# KiCad board UFC_Main.kicad_pcb
date: 2020-11-28
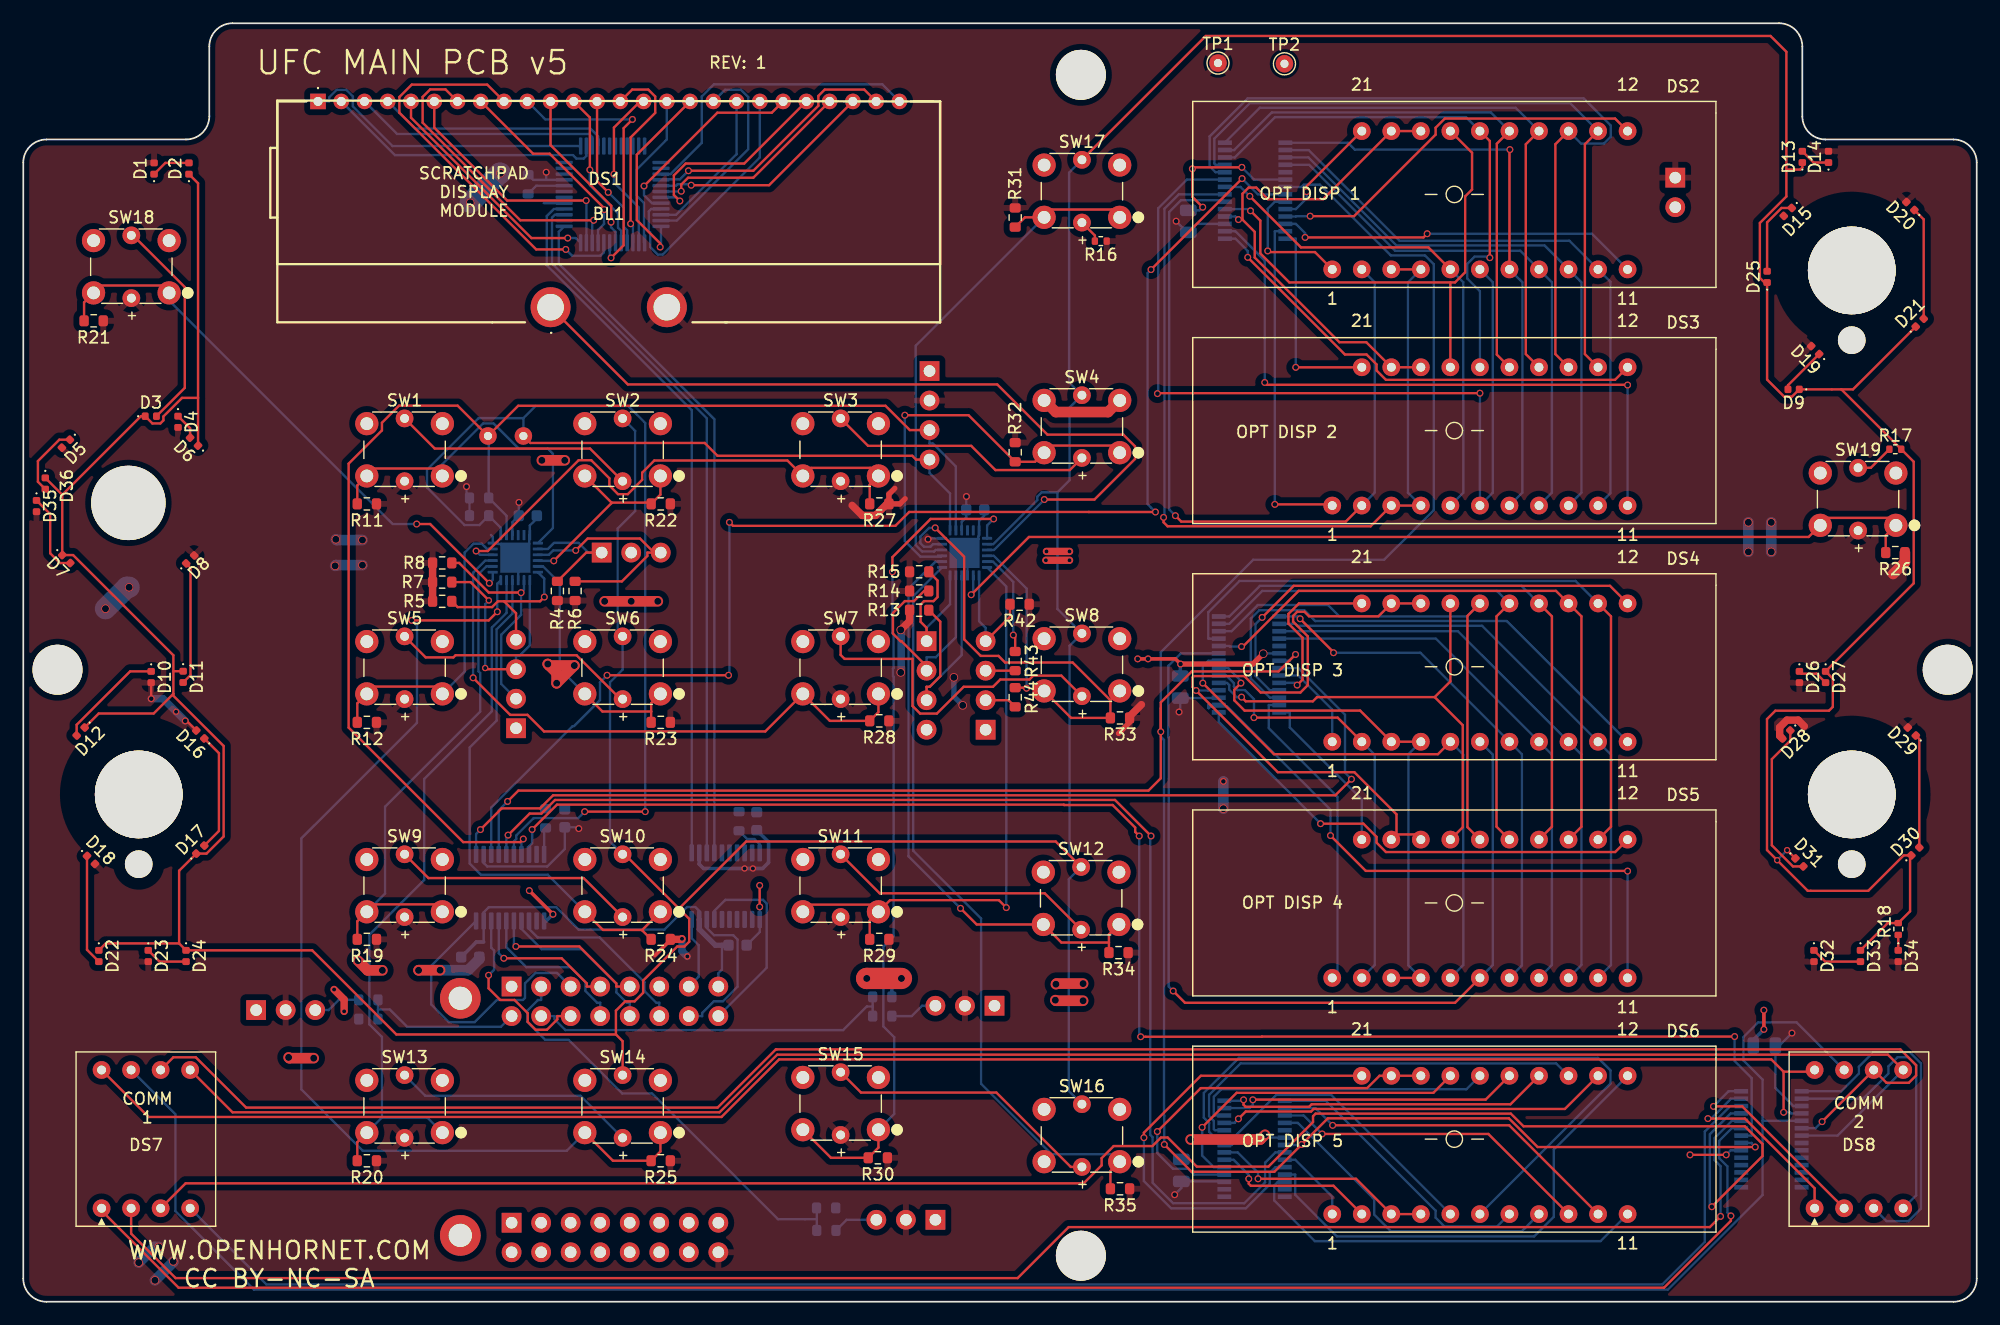
[diagram p0: board, top side]
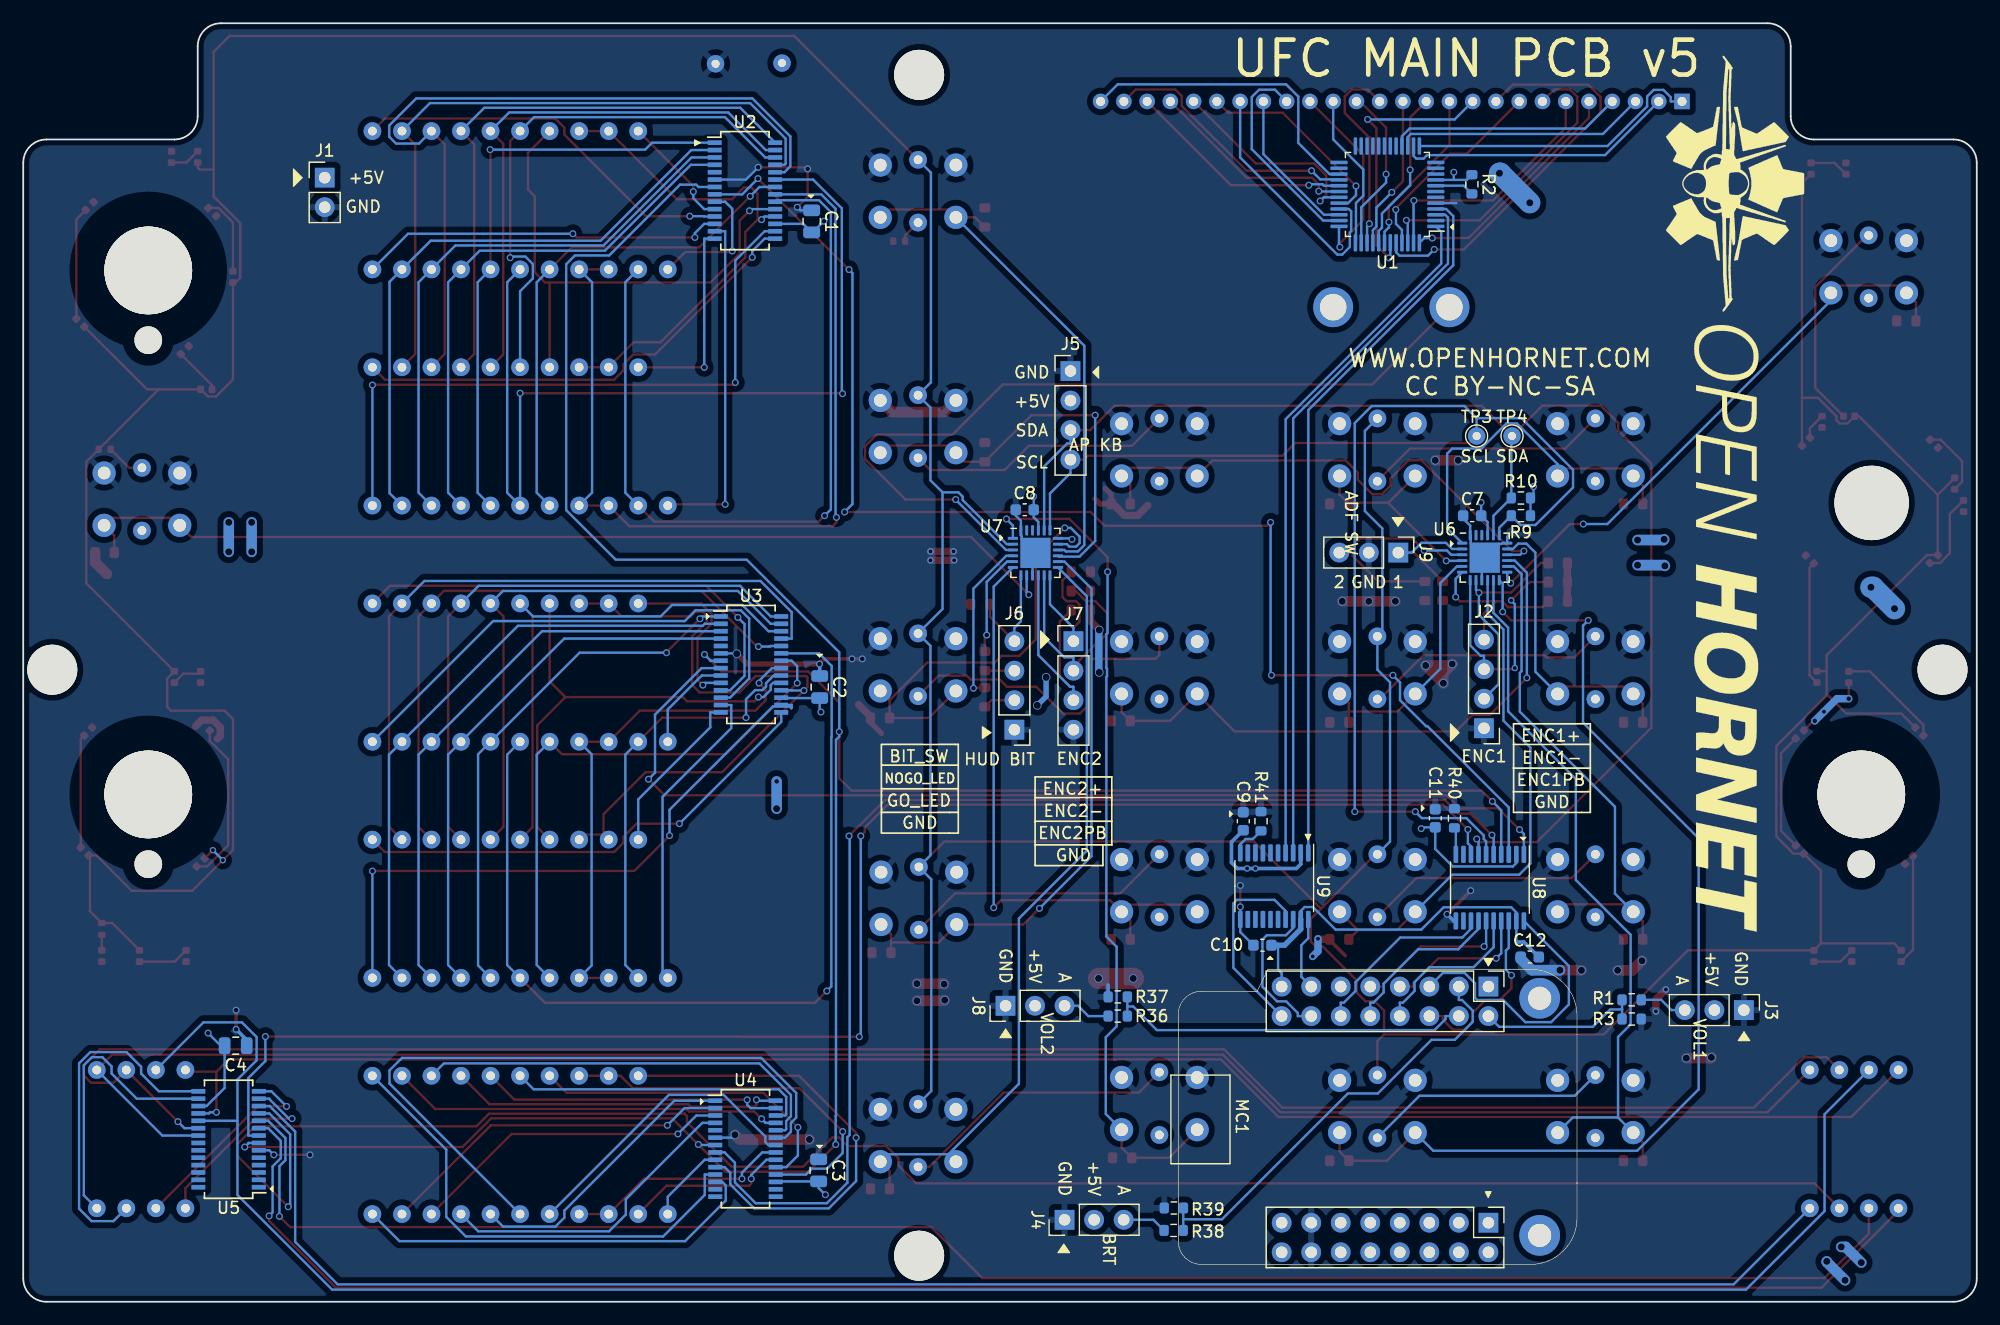
[diagram p1: board, bottom side, seen from below]

Outline 168 x 110 mm; copper layers: Top, Bottom. Coordinates in mm from the lower left corner of the outline.
Outline path: 0,98 0,2 arc(0.59,0.59) 2,0 166,0 arc(167.41,0.59) 168,2 168,98 arc(167.41,99.41) 166,100 155,100 arc(153.59,100.59) 153,102 153,108 arc(152.41,109.41) 151,110 18,110 arc(16.59,109.41) 16,108 16,102 arc(15.41,100.59) 14,100 2,100 arc(0.59,99.41) 0,98

## Placement (name value [footprint] x y rotation side)
BL1  UFCScratchPadBacklight  [SCRATCHPADBACKLIGHT]  45.35 85.57 0 top
C1  10uF  [C_0805_2012Metric]  100.2 92.95 270 bottom
C2  10uF  [C_0805_2012Metric]  99.51 52.89 270 bottom
C3  10uF  [C_0805_2012Metric]  99.6 11.3 270 bottom
C4  10uF  [C_0805_2012Metric]  149.73 22.03 0 bottom
C7  .1uF  [C_0603_1608Metric]  43.39 67.63 180 bottom
C8  .1uF  [C_0603_1608Metric]  81.88 68.14 180 bottom
C9  .1uF  [C_0603_1608Metric]  63.08 41.34 270 bottom
C10  .1uF  [C_0603_1608Metric]  61.43 30.67 180 bottom
C11  .1uF  [C_0603_1608Metric]  46.57 41.6 270 bottom
C12  .1uF  [C_0603_1608Metric]  38.44 29.66 180 bottom
D1  ~  [LED_0402_1005Metric]  11.25 97.5 90 top
D2  ~  [LED_0402_1005Metric]  14.25 97.5 90 top
D3  ~  [LED_0402_1005Metric]  10.97 76.19 0 top
D4  ~  [LED_0402_1005Metric]  13.31 75.71 270 top
D5  ~  [LED_0402_1005Metric]  3.67 73.83 225 top
D6  ~  [LED_0402_1005Metric]  14.69 74 135 top
D7  ~  [LED_0402_1005Metric]  3.7 63.9 315 top
D8  ~  [LED_0402_1005Metric]  14.36 63.87 45 top
D9  ~  [LED_0402_1005Metric]  152.25 78.5 180 top
D10  ~  [LED_0402_1005Metric]  11 53.75 270 top
D11  ~  [LED_0402_1005Metric]  13.75 53.77 270 top
D12  ~  [LED_0402_1005Metric]  4.94 49.06 225 top
D13  ~  [LED_0402_1005Metric]  153 98.5 90 top
D14  ~  [LED_0402_1005Metric]  155.25 98.5 90 top
D15  ~  [LED_0402_1005Metric]  151.75 93.77 225 top
D16  ~  [LED_0402_1005Metric]  15.22 48.81 135 top
D17  ~  [LED_0402_1005Metric]  15.22 38.9 45 top
D18  ~  [LED_0402_1005Metric]  5.83 38.01 315 top
D19  ~  [LED_0402_1005Metric]  154.11 81.88 135 top
D20  ~  [LED_0402_1005Metric]  162.29 94.27 135 top
D21  ~  [LED_0402_1005Metric]  163.1 84.24 45 top
D22  ~  [LED_0402_1005Metric]  6.5 29.75 270 top
D23  ~  [LED_0402_1005Metric]  10.75 29.75 270 top
D24  ~  [LED_0402_1005Metric]  14 29.75 270 top
D25  ~  [LED_0402_1005Metric]  149.97 88.18 90 top
D26  ~  [LED_0402_1005Metric]  152.75 53.75 270 top
D27  ~  [LED_0402_1005Metric]  155 53.75 270 top
D28  ~  [LED_0402_1005Metric]  151.62 48.81 225 top
D29  ~  [LED_0402_1005Metric]  162.42 49.06 135 top
D30  ~  [LED_0402_1005Metric]  162.72 38.75 45 top
D31  ~  [LED_0402_1005Metric]  152.75 37.8 315 top
D32  ~  [LED_0402_1005Metric]  154 29.75 270 top
D33  ~  [LED_0402_1005Metric]  158 29.75 270 top
D34  ~  [LED_0402_1005Metric]  161.25 29.75 270 top
D35  ~  [LED_0402_1005Metric]  1.14 68.46 270 top
D36  ~  [LED_0402_1005Metric]  1.9 70.4 270 top
DS1  UFCScratchpadLCD  [SCRATCHPADLCD]  25.35 103.27 0 top
DS2  -  [UFCOptionDigit]  123.07 95.27 0 top
DS3  -  [UFCOptionDigit]  123.07 74.95 0 top
DS4  -  [UFCOptionDigit]  123.07 54.63 0 top
DS5  -  [UFCOptionDigit]  123.07 34.31 0 top
DS6  -  [UFCOptionDigit]  123.07 13.99 0 top
DS7  -  [UFCSingleDigit]  10.55 13.99 0 top
DS8  -  [UFCSingleDigit]  157.87 13.99 0 top
G***  LOGO  [OH_LOGO_75.4mm_11.9mm]  20.79 69.54 270 bottom
J1  +5VIN  [PinHeader_1x02_P2.54mm_Vertical]  142.07 96.71 180 bottom
J2  ENC1  [PinHeader_1x04_P2.54mm_Vertical]  42.38 49.34 0 bottom
J3  VOL1  [PinHeader_1x03_P2.54mm_Vertical]  20.03 25.1 270 bottom
J4  BRT  [PinHeader_1x03_P2.54mm_Vertical]  78.45 7.05 90 bottom
J5  AP KB  [PinHeader_1x04_P2.54mm_Vertical]  77.94 80.08 180 bottom
J6  HUD BIT  [PinHeader_1x04_P2.54mm_Vertical]  82.76 49.22 0 bottom
J7  ENC2  [PinHeader_1x04_P2.54mm_Vertical]  77.68 56.84 180 bottom
J8  VOL2  [PinHeader_1x03_P2.54mm_Vertical]  83.53 25.47 90 bottom
J9  ADF SW  [PinHeader_1x03_P2.54mm_Vertical]  49.74 64.46 270 bottom
MC1  -  [S2_MINI]  53.43 15.69 270 bottom
MK1  MH  [MountingHole_4.3mm_M4]  90.96 105.56 0 top
MK2  MH  [MountingHole_4.3mm_M4]  165.51 54.38 0 top
MK3  MH  [MountingHole_4.3mm_M4]  90.96 3.96 0 top
MK4  MH  [MountingHole_4.3mm_M4]  2.95 54.38 0 top
MK5  SW_ADF  [MountingHole_6.4mm_M6]  9.04 68.73 0 top
POT1  VOL1  [BR10K_Pot_11mm_x_11mm]  9.93 43.65 0 top
POT2  VOL2  [BR10K_Pot_11mm_x_11mm]  157.25 43.65 0 top
POT3  BRT  [BR10K_Pot_11mm_x_11mm]  157.25 88.73 0 top
R1  1k  [R_0603_1608Metric]  29.68 25.98 0 bottom
R2  10K  [R_0603_1608Metric]  43.42 96.14 270 bottom
R3  2K  [R_0603_1608Metric]  29.68 24.32 180 bottom
R4  4.7k  [R_0603_1608Metric]  45.93 61.15 90 top
R5  4.7k  [R_0603_1608Metric]  36.03 60.27 180 top
R6  4.7k  [R_0603_1608Metric]  47.46 61.15 270 top
R7  4.7k  [R_0603_1608Metric]  36.03 61.92 180 top
R8  4.7k  [R_0603_1608Metric]  36.03 63.57 0 top
R9  4.7k  [R_0603_1608Metric]  39.2 67.63 0 bottom
R10  4.7k  [R_0603_1608Metric]  39.2 69.16 180 bottom
R11  4.7k  [R_0603_1608Metric]  29.55 68.65 180 top
R12  4.7k  [R_0603_1608Metric]  29.55 49.85 180 top
R13  4.7k  [R_0603_1608Metric]  77.05 59.5 0 top
R14  4.7k  [R_0603_1608Metric]  77.05 61.15 180 top
R15  4.7k  [R_0603_1608Metric]  77.05 62.81 0 top
R16  33  [R_0402_1005Metric]  92.67 91.25 180 top
R17  33  [R_0402_1005Metric]  161 73.35 0 top
R18  33  [R_0402_1005Metric]  161.25 32.07 90 top
R19  4.7k  [R_0603_1608Metric]  29.55 31.18 180 top
R20  4.7k  [R_0603_1608Metric]  29.55 12.13 180 top
R21  4.7k  [R_0603_1608Metric]  6.06 84.4 180 top
R22  4.7k  [R_0603_1608Metric]  54.82 68.65 180 top
R23  4.7k  [R_0603_1608Metric]  54.82 49.85 180 top
R24  4.7k  [R_0603_1608Metric]  54.82 31.18 180 top
R25  4.7k  [R_0603_1608Metric]  54.82 12.13 180 top
R26  4.7k  [R_0603_1608Metric]  161 64.46 180 top
R27  4.7k  [R_0603_1608Metric]  73.62 68.65 180 top
R28  4.7k  [R_0603_1608Metric]  73.62 49.98 180 top
R29  4.7k  [R_0603_1608Metric]  73.62 31.18 180 top
R30  4.7k  [R_0603_1608Metric]  73.49 12.39 180 top
R31  4.7k  [R_0603_1608Metric]  85.3 93.29 270 top
R32  4.7k  [R_0603_1608Metric]  85.3 73.09 270 top
R33  4.7k  [R_0603_1608Metric]  94.32 50.23 180 top
R34  4.7k  [R_0603_1608Metric]  94.19 30.04 180 top
R35  4.7k  [R_0603_1608Metric]  94.32 9.72 180 top
R36  1k  [R_0603_1608Metric]  73.87 24.58 180 bottom
R37  2K  [R_0603_1608Metric]  73.87 26.23 0 bottom
R38  1k  [R_0603_1608Metric]  69.07 6.14 180 bottom
R39  2K  [R_0603_1608Metric]  69.05 8.07 0 bottom
R40  4.7k  [R_0603_1608Metric]  44.92 41.6 90 bottom
R41  4.7k  [R_0603_1608Metric]  61.56 41.34 90 bottom
R42  4.7k  [R_0603_1608Metric]  85.69 60.01 180 top
R43  68  [R_0603_1608Metric]  85.3 55.12 270 top
R44  68  [R_0603_1608Metric]  85.3 52.01 270 top
SW1  -  [TL1240GQ]  29.55 75.55 0 top
SW2  -  [TL1240GQ]  48.3 75.55 0 top
SW3  -  [TL1240GQ]  67.05 75.55 0 top
SW4  -  [TL1240GQ]  87.8 77.55 0 top
SW5  -  [TL1240GQ]  29.55 56.8 0 top
SW6  -  [TL1240GQ]  48.3 56.8 0 top
SW7  -  [TL1240GQ]  67.05 56.8 0 top
SW8  -  [TL1240GQ]  87.8 57.05 0 top
SW9  -  [TL1240GQ]  29.55 38.05 0 top
SW10  -  [TL1240GQ]  48.3 38.05 0 top
SW11  -  [TL1240GQ]  67.05 38.05 0 top
SW12  -  [TL1240GQ]  87.73 36.96 0 top
SW13  -  [TL1240GQ]  29.55 19.05 0 top
SW14  -  [TL1240GQ]  48.3 19.05 0 top
SW15  -  [TL1240GQ]  67.05 19.3 0 top
SW16  -  [TL1240GQ]  87.8 16.55 0 top
SW17  -  [TL1240GQ]  87.8 97.8 0 top
SW18  -  [TL1240GQ]  6.05 91.3 0 top
SW19  -  [TL1240GQ]  154.55 71.3 0 top
TP1  5V  [TestPoint_THTPad_D1.5mm_Drill0.7mm]  102.75 106.58 0 top
TP2  GND  [TestPoint_THTPad_D1.5mm_Drill0.7mm]  108.46 106.51 0 top
TP3  SCL  [TestPoint_THTPad_D1.5mm_Drill0.7mm]  43.01 74.49 180 bottom
TP4  SDA  [TestPoint_THTPad_D1.5mm_Drill0.7mm]  39.97 74.49 180 bottom
U1  HT1621B  [LQFP-48_7x7mm_P0.5mm]  50.68 95.27 0 bottom
U2  GN1640T  [SSOP-28_3.9x9.9mm_P0.635mm]  105.94 95.6 180 bottom
U3  GN1640T  [SSOP-28_3.9x9.9mm_P0.635mm]  105.42 54.83 180 bottom
U4  GN1640T  [SSOP-28_3.9x9.9mm_P0.635mm]  105.89 13.17 180 bottom
U5  GN1640T  [SSOP-28_3.9x9.9mm_P0.635mm]  150.34 13.98 0 bottom
U6  AW9523BTQR  [WQFN-24-1EP_4x4mm_P0.5mm_EP2.6x2.6mm]  42.31 64.02 180 bottom
U7  AW9523BTQR  [WQFN-24-1EP_4x4mm_P0.5mm_EP2.6x2.6mm]  80.95 64.43 180 bottom
U8  TXS0108EPW  [TSSOP-20_4.4x6.5mm_P0.65mm]  41.87 35.63 270 bottom
U9  TXS0108EPW  [TSSOP-20_4.4x6.5mm_P0.65mm]  60.41 35.75 270 bottom

## Footprints (pads in the part's own frame, mm; a bottom-side part is the same pattern mirrored in y, then rotated)
BR10K_Pot_11mm_x_11mm
  round 7.541 hole 7.54 unplated: (0,0) (0,0)
  round 2.381 hole 2.38 unplated: (0,-6)
C_0603_1608Metric
  rrect 0.9x0.95 smd: 1(-0.775,0) 2(0.775,0)
C_0805_2012Metric
  rrect 1x1.45 smd: 1(-0.95,0) 2(0.95,0)
LED_0402_1005Metric
  rrect 0.59x0.64 smd: 1(-0.485,0) 2(0.485,0)
LQFP-48_7x7mm_P0.5mm
  rrect 1.475x0.3 smd: 1(-4.162,2.75) 2(-4.162,2.25) 3(-4.162,1.75) 4(-4.162,1.25) 5(-4.162,0.75) 6(-4.162,0.25) 7(-4.162,-0.25) 8(-4.162,-0.75) 9(-4.162,-1.25) 10(-4.162,-1.75) 11(-4.162,-2.25) 12(-4.162,-2.75) 25(4.162,-2.75) 26(4.162,-2.25) 27(4.162,-1.75) 28(4.162,-1.25) 29(4.162,-0.75) 30(4.162,-0.25) 31(4.162,0.25) 32(4.162,0.75) 33(4.162,1.25) 34(4.162,1.75) 35(4.162,2.25) 36(4.162,2.75)
  rrect 0.3x1.475 smd: 13(-2.75,-4.162) 14(-2.25,-4.162) 15(-1.75,-4.162) 16(-1.25,-4.162) 17(-0.75,-4.162) 18(-0.25,-4.162) 19(0.25,-4.162) 20(0.75,-4.162) 21(1.25,-4.162) 22(1.75,-4.162) 23(2.25,-4.162) 24(2.75,-4.162) 37(2.75,4.162) 38(2.25,4.162) 39(1.75,4.162) 40(1.25,4.162) 41(0.75,4.162) 42(0.25,4.162) 43(-0.25,4.162) 44(-0.75,4.162) 45(-1.25,4.162) 46(-1.75,4.162) 47(-2.25,4.162) 48(-2.75,4.162)
MountingHole_4.3mm_M4
  round 4.3 hole 4.3 unplated: (0,0)
MountingHole_6.4mm_M6
  round 6.4 hole 6.4 unplated: (0,0)
PinHeader_1x02_P2.54mm_Vertical
  rect 1.7x1.7 hole 1: 1(0,0)
  oval 1.7x1.7 hole 1: 2(0,-2.54)
PinHeader_1x03_P2.54mm_Vertical
  rect 1.7x1.7 hole 1: 1(0,0)
  oval 1.7x1.7 hole 1: 2(0,-2.54) 3(0,-5.08)
PinHeader_1x04_P2.54mm_Vertical
  rect 1.7x1.7 hole 1: 1(0,0)
  oval 1.7x1.7 hole 1: 2(0,-2.54) 3(0,-5.08) 4(0,-7.62)
R_0402_1005Metric
  rrect 0.54x0.64 smd: 1(-0.51,0) 2(0.51,0)
R_0603_1608Metric
  rrect 0.8x0.95 smd: 1(-0.825,0) 2(0.825,0)
S2_MINI
  rect 1.7x1.7 hole 1: 1(-11.43,11.43) 17(8.89,11.43)
  oval 1.7x1.7 hole 1: 2(-11.43,8.89) 3(-11.43,6.35) 4(-11.43,3.81) 5(-11.43,1.27) 6(-11.43,-1.27) 7(-11.43,-3.81) 8(-11.43,-6.35) 9(-8.89,11.43) 10(-8.89,8.89) 11(-8.89,6.35) 12(-8.89,3.81) 13(-8.89,1.27) 14(-8.89,-1.27) 15(-8.89,-3.81) 16(-8.89,-6.35) 18(8.89,8.89) 19(8.89,6.35) 20(8.89,3.81) 21(8.89,1.27) 22(8.89,-1.27) 23(8.89,-3.81) 24(8.89,-6.35) 25(11.43,11.43) 26(11.43,8.89) 27(11.43,6.35) 28(11.43,3.81) 29(11.43,1.27) 30(11.43,-1.27) 31(11.43,-3.81) 32(11.43,-6.35)
  round 3.5 hole 2: ~(-10.42,15.84) ~(9.98,15.84)
SCRATCHPADBACKLIGHT
  round 3.435 hole 2.29: 1(0,0) 2(10,0)
SCRATCHPADLCD
  rect 1.337x1.337 hole 0.78: 1(0,0)
  round 1.337 hole 0.78: 2(2,0) 3(4,0) 4(6,0) 5(8,0) 6(10,0) 7(12,0) 8(14,0) 9(16,0) 10(18,0) 11(20,0) 12(22,0) 13(24,0) 14(26,0) 15(28,0) 16(30,0) 17(32,0) 18(34,0) 19(36,0) 20(38,0) 21(40,0) 22(42,0) 23(44,0) 24(46,0) 25(48,0) 26(50,0)
SSOP-28_3.9x9.9mm_P0.635mm
  rect 1.2x0.4 smd: 1(-2.6,4.128) 2(-2.6,3.493) 3(-2.6,2.857) 4(-2.6,2.223) 5(-2.6,1.587) 6(-2.6,0.953) 7(-2.6,0.318) 8(-2.6,-0.318) 9(-2.6,-0.953) 10(-2.6,-1.587) 11(-2.6,-2.223) 12(-2.6,-2.857) 13(-2.6,-3.493) 14(-2.6,-4.128) 15(2.6,-4.128) 16(2.6,-3.493) 17(2.6,-2.857) 18(2.6,-2.223) 19(2.6,-1.587) 20(2.6,-0.953) 21(2.6,-0.318) 22(2.6,0.318) 23(2.6,0.953) 24(2.6,1.587) 25(2.6,2.223) 26(2.6,2.857) 27(2.6,3.493) 28(2.6,4.128)
TestPoint_THTPad_D1.5mm_Drill0.7mm
  round 1.5 hole 0.7: 1(0,0)
TL1240GQ
  round 2 hole 1.1: 1(0,-4.5) 1(6.5,-4.5) 2(0,0) 2(6.5,0)
  round 1.524 hole 0.762: 5(3.25,-4.95) 6(3.25,0.45)
TSSOP-20_4.4x6.5mm_P0.65mm
  rrect 1.475x0.4 smd: 1(-2.862,2.925) 2(-2.862,2.275) 3(-2.862,1.625) 4(-2.862,0.975) 5(-2.862,0.325) 6(-2.862,-0.325) 7(-2.862,-0.975) 8(-2.862,-1.625) 9(-2.862,-2.275) 10(-2.862,-2.925) 11(2.862,-2.925) 12(2.862,-2.275) 13(2.862,-1.625) 14(2.862,-0.975) 15(2.862,-0.325) 16(2.862,0.325) 17(2.862,0.975) 18(2.862,1.625) 19(2.862,2.275) 20(2.862,2.925)
UFCOptionDigit
  round 1.524 hole 0.762: 1(-10.495,-6.45) 2(-7.955,-6.45) 3(-5.415,-6.45) 4(-2.875,-6.45) 5(-0.335,-6.45) 6(2.205,-6.45) 7(4.745,-6.45) 8(7.285,-6.45) 9(9.825,-6.45) 10(12.365,-6.45) 11(14.905,-6.45) 12(14.905,5.45) 13(12.365,5.45) 14(9.825,5.45) 15(7.285,5.45) 16(4.745,5.45) 17(2.205,5.45) 18(-0.335,5.45) 19(-2.875,5.45) 20(-5.415,5.45) 21(-7.955,5.45)
UFCSingleDigit
  round 1.524 hole 0.762: 1(-3.81,-5.95) 2(-1.27,-5.95) 3(1.27,-5.95) 4(3.81,-5.95) 5(3.81,5.95) 6(1.27,5.95) 7(-1.27,5.95) 8(-3.81,5.95)
WQFN-24-1EP_4x4mm_P0.5mm_EP2.6x2.6mm
  rrect 1.05x1.05 smd: (-0.65,-0.65) (-0.65,0.65) (0.65,-0.65) (0.65,0.65)
  rrect 0.875x0.25 smd: 1(-1.938,1.25) 2(-1.938,0.75) 3(-1.938,0.25) 4(-1.938,-0.25) 5(-1.938,-0.75) 6(-1.938,-1.25) 13(1.938,-1.25) 14(1.938,-0.75) 15(1.938,-0.25) 16(1.938,0.25) 17(1.938,0.75) 18(1.938,1.25)
  rrect 0.25x0.875 smd: 7(-1.25,-1.938) 8(-0.75,-1.938) 9(-0.25,-1.938) 10(0.25,-1.938) 11(0.75,-1.938) 12(1.25,-1.938) 19(1.25,1.938) 20(0.75,1.938) 21(0.25,1.938) 22(-0.25,1.938) 23(-0.75,1.938) 24(-1.25,1.938)
  rect 2.6x2.6 smd: 25(0,0)

## Nets
+3V3: C10.2 C12.2 MC1.8 U8.19 U9.19
+5V: BL1.2 C1.2 C2.2 C3.2 C4.2 C7.2 C8.2 C9.2 C11.2 D1.2 D4.2 D5.2 D8.2 D10.2 D14.2 D15.2 D16.2 D18.2 D19.2 D20.2 D23.2 D26.2 D28.2 D29.2 D32.2 D34.2 D35.2 J1.1 J3.2 J4.2 J5.2 J8.2 MC1.32 R2.1 R4.1 R5.2 R6.2 R7.2 R8.1 R9.1 R10.2 R11.1 R12.1 R13.1 R14.2 R15.1 R16.1 R19.1 R20.1 R21.1 R22.1 R23.1 R24.1 R25.1 R26.1 R27.1 R28.1 R29.1 R30.1 R31.1 R32.1 R33.1 R34.1 R35.1 R42.1 SW1.5 SW3.5 SW5.5 SW7.5 SW9.5 SW11.5 SW13.5 SW15.5 SW18.5 SW19.5 TP1.1 U1.9 U2.17 U3.17 U4.17 U5.17 U6.21 U7.18 U7.21 U8.2 U9.2
GND: C1.1 C2.1 C3.1 C4.1 C7.1 C8.1 C9.1 C10.1 C11.1 C12.1 J1.2 J2.1 J3.1 J4.1 J5.1 J6.1 J7.4 J8.1 J9.2 MC1.23 MC1.31 R3.2 R37.2 R39.2 R40.2 R41.2 SW1.2 SW2.2 SW3.2 SW4.2 SW5.2 SW6.2 SW7.2 SW8.2 SW9.2 SW10.2 SW11.2 SW12.2 SW13.2 SW14.2 SW15.2 SW16.2 SW17.2 SW18.2 SW19.2 TP2.1 U1.5 U2.6 U3.6 U4.6 U5.6 U6.9 U6.18 U6.24 U6.25 U7.9 U7.24 U7.25 U8.11 U9.11
/0+: SW13.6 SW14.5
/0-: D2.1 D3.1 D6.1 D7.1 D9.1 D11.1 D12.1 D13.1 D17.1 D21.1 D22.1 D24.1 D25.1 D27.1 D30.1 D31.1 D33.1 D36.1 R17.2 R18.2 SW2.6 SW4.6 SW6.6 SW8.6 SW10.6 SW12.6 SW14.6 SW16.6 SW17.6 U7.2
/1-: SW1.6 SW2.5
/1AB: DS2.19 DS2.20 DS3.19 DS3.20 U2.18
/1C: DS2.18 DS3.18 U2.19
/1D: DS2.2 DS3.2 U2.20
/1DP: DS2.8 DS3.8 U2.4
/1EF: DS2.3 DS2.4 DS3.3 DS3.4 U2.21
/1G: DS2.5 DS3.5 U2.22
/1H: DS2.6 DS3.6 U2.23
/1I: DS2.13 DS3.13 U2.25
/1J: DS2.14 DS3.14 U2.24
/1K: DS2.15 DS3.15 U2.28
/1L: DS2.16 DS3.16 U2.27
/1M: DS2.17 DS3.17 U2.26
/1N: DS2.9 DS3.9 U2.3
/1O: DS2.10 DS3.10 U2.2
/1P: DS2.7 DS3.7 U2.1
/2AB: DS4.19 DS4.20 DS5.19 DS5.20 U3.18
/2C: DS4.18 DS5.18 U3.19
/2D: DS4.2 DS5.2 U3.20
/2DP: DS4.8 DS5.8 U3.4
/2EF: DS4.3 DS4.4 DS5.3 DS5.4 U3.21
/2G: DS4.5 DS5.5 U3.22
/2H: DS4.6 DS5.6 U3.23
/2I: DS4.13 DS5.13 U3.25
/2J: DS4.14 DS5.14 U3.24
/2K: DS4.15 DS5.15 U3.28
/2L: DS4.16 DS5.16 U3.27
/2M: DS4.17 DS5.17 U3.26
/2N: DS4.9 DS5.9 U3.3
/2O: DS4.10 DS5.10 U3.2
/2P: DS4.7 DS5.7 U3.1
/3-: SW3.6 SW4.5
/3AB: DS6.19 DS6.20 U4.18
/3C: DS6.18 U4.19
/3D: DS6.2 U4.20
/3DP: DS6.8 U4.4
/3EF: DS6.3 DS6.4 U4.21
/3G: DS6.5 U4.22
/3H: DS6.6 U4.23
/3I: DS6.13 U4.25
/3J: DS6.14 U4.24
/3K: DS6.15 U4.28
/3L: DS6.16 U4.27
/3M: DS6.17 U4.26
/3N: DS6.9 U4.3
/3O: DS6.10 U4.2
/3P: DS6.7 U4.1
/4-: SW5.6 SW6.5
/6-: SW7.6 SW8.5
/7-: SW9.6 SW10.5
/9-: SW11.6 SW12.5
/ADF1: J9.1 R4.2 U6.2
/ADF2: J9.3 R6.1 U6.3
/BIT_SW: J6.4 R42.2 U7.7
/C_GRID1: DS7.8 DS8.8 U5.18
/C_GRID2: DS7.7 DS8.7 U5.19
/C_GRID3: DS7.6 DS8.6 U5.20
/C_GRID4: DS7.5 DS8.5 U5.21
/C_SEG1: DS7.1 U5.9
/C_SEG2: DS7.2 U5.10
/C_SEG3: DS7.3 U5.11
/C_SEG4: DS7.4 U5.12
/C_SEG5: DS8.1 U5.13
/C_SEG6: DS8.2 U5.14
/C_SEG7: DS8.3 U5.15
/C_SEG8: DS8.4 U5.16
/CLR-: SW15.6 SW16.5
/COM0: DS1.1 U1.13
/COM1: DS1.2 U1.14
/COM2: DS1.3 U1.15
/COM3: DS1.4 U1.16
/EM-: R17.1 SW19.6
/ENC1+: J2.4 R5.1 U6.6
/ENC1-: J2.3 R7.1 U6.7
/ENC1PB: J2.2 R8.2 U6.8
/ENC2+: J7.1 R15.2 U7.12
/ENC2-: J7.2 R14.1 U7.11
/ENC2PB: J7.3 R13.2 U7.10
/GO_LED: J6.2 R44.2
/IP-: D3.2 SW18.6
/NOGO_LED: J6.3 R43.2
/OP1+: R16.2 SW17.5
/OP1D1: DS2.1 U2.9
/OP1D2: DS2.21 U2.10
/OP1D3: DS2.12 U2.11
/OP1D4: DS2.11 U2.12
/OP2D1: DS3.1 U2.13
/OP2D2: DS3.21 U2.14
/OP2D3: DS3.12 U2.15
/OP2D4: DS3.11 U2.16
/OP3D1: DS4.1 U3.9
/OP3D2: DS4.21 U3.10
/OP3D3: DS4.12 U3.11
/OP3D4: DS4.11 U3.12
/OP4D1: DS5.1 U3.13
/OP4D2: DS5.21 U3.14
/OP4D3: DS5.12 U3.15
/OP4D4: DS5.11 U3.16
/OP5D1: DS6.1 U4.9
/OP5D2: DS6.21 U4.10
/OP5D3: DS6.12 U4.11
/OP5D4: DS6.11 U4.12
/SEG0: DS1.5 U1.48
/SEG1: DS1.6 U1.47
/SEG2: DS1.7 U1.46
/SEG3: DS1.8 U1.45
/SEG4: DS1.9 U1.44
/SEG5: DS1.10 U1.43
/SEG6: DS1.11 U1.42
/SEG7: DS1.12 U1.41
/SEG8: DS1.13 U1.40
/SEG9: DS1.14 U1.39
/SEG10: DS1.15 U1.38
/SEG11: DS1.16 U1.37
/SEG12: DS1.17 U1.36
/SEG13: DS1.18 U1.35
/SEG14: DS1.19 U1.34
/SEG15: DS1.20 U1.33
/SEG16: DS1.21 U1.32
/SEG17: DS1.22 U1.31
/SEG18: DS1.23 U1.30
/SEG19: DS1.24 U1.29
/SEG20: DS1.25 U1.28
/SEG21: DS1.26 U1.27
/SW1: R11.2 SW1.1 U6.1
/SW2: R22.2 SW2.1 U6.4
/SW3: R27.2 SW3.1 U6.16
/SW4: R12.2 SW5.1 U6.17
/SW5: R23.2 SW6.1 U6.5
/SW6: R28.2 SW7.1 U6.15
/SW7: R19.2 SW9.1 U6.14
/SW8: R24.2 SW10.1 U6.10
/SW9: R29.2 SW11.1 U7.6
/SW10: R30.2 SW15.1 U7.1
/SW11: R20.2 SW13.1 U6.11
/SW12: R25.2 SW14.1 U6.12
/SW13: R21.2 SW18.1 U6.13
/SW14: R31.2 SW17.1 U7.16
/SW15: R32.2 SW4.1 U7.15
/SW16: R33.2 SW8.1 U7.17
/SW17: R34.2 SW12.1 U7.14
/SW18: R35.2 SW16.1 U7.13
/SW19: R26.2 SW19.1 U7.8
/TNLEDPWR: BL1.1 U7.3
ANALOG1: J3.3 R1.1
ANALOG1@3.3V: MC1.9 R1.2 R3.1
ANALOG2: J8.3 R36.1
ANALOG2@3.3V: MC1.10 R36.2 R37.1
ANALOG3: J4.3 R38.1
ANALOG3@3.3V: MC1.2 R38.2 R39.1
C_CLK: U5.8 U8.8
C_CLK@3.3V: MC1.14 U8.13
DIO: U2.7 U3.7 U4.7 U5.7 U8.4
DIO@3.3V: MC1.4 U8.17
OP1_CLK: U2.8 U8.3
OP1_CLK@3.3V: MC1.11 U8.18
OP2_CLK: U3.8 U8.1
OP2_CLK@3.3V: MC1.3 U8.20
OP3_CLK: U4.8 U8.5
OP3_CLK@3.3V: MC1.12 U8.16
SCL: J5.4 R9.2 TP3.1 U6.19 U7.19 U8.6
SCL@3.3V: MC1.5 U8.15
SCRCS: U1.1 U9.4
SCRCS@3.3V: MC1.16 U9.17
SCRDATA: U1.4 U9.1
SCRDATA@3.3V: MC1.7 U9.20
SCRWR: U1.3 U9.3
SCRWR@3.3V: MC1.15 U9.18
SDA: J5.3 R10.1 TP4.1 U6.20 U7.20 U8.7
SDA@3.3V: MC1.13 U8.14
Net-(D1-Pad1): D1.1 D2.2
Net-(D4-Pad1): D4.1 D6.2
Net-(D10-Pad1): D10.1 D12.2
Net-(D11-Pad2): D8.1 D11.2
Net-(D13-Pad2): D13.2 D14.1
Net-(D15-Pad1): D15.1 D25.2
Net-(D16-Pad1): D16.1 D17.2
Net-(D18-Pad1): D18.1 D22.2
Net-(D19-Pad1): D9.2 D19.1
Net-(D20-Pad1): D20.1 D21.2
Net-(D23-Pad1): D23.1 D24.2
Net-(D26-Pad1): D26.1 D27.2
Net-(D28-Pad1): D28.1 D31.2
Net-(D29-Pad1): D29.1 D30.2
Net-(D32-Pad1): D32.1 D33.2
Net-(D34-Pad1): D34.1 R18.1
Net-(D35-Pad1): D7.2 D35.1
Net-(D36-Pad2): D5.1 D36.2
Net-(MC1-Pad1): MC1.1
Net-(MC1-Pad6): MC1.6
Net-(MC1-Pad17): MC1.17
Net-(MC1-Pad18): MC1.18
Net-(MC1-Pad19): MC1.19
Net-(MC1-Pad20): MC1.20
Net-(MC1-Pad21): MC1.21
Net-(MC1-Pad22): MC1.22
Net-(MC1-Pad24): MC1.24
Net-(MC1-Pad25): MC1.25
Net-(MC1-Pad26): MC1.26
Net-(MC1-Pad27): MC1.27
Net-(MC1-Pad28): MC1.28
Net-(MC1-Pad29): MC1.29
Net-(MC1-Pad30): MC1.30
Net-(R2-Pad2): R2.2 U1.8
Net-(R40-Pad1): R40.1 U8.10
Net-(R41-Pad1): R41.1 U9.10
Net-(R43-Pad1): R43.1 U7.5
Net-(R44-Pad1): R44.1 U7.4
Net-(U1-Pad2): U1.2
Net-(U1-Pad6): U1.6
Net-(U1-Pad7): U1.7
Net-(U1-Pad10): U1.10
Net-(U1-Pad11): U1.11
Net-(U1-Pad12): U1.12
Net-(U1-Pad17): U1.17
Net-(U1-Pad18): U1.18
Net-(U1-Pad19): U1.19
Net-(U1-Pad20): U1.20
Net-(U1-Pad21): U1.21
Net-(U1-Pad22): U1.22
Net-(U1-Pad23): U1.23
Net-(U1-Pad24): U1.24
Net-(U1-Pad25): U1.25
Net-(U1-Pad26): U1.26
Net-(U2-Pad5): U2.5
Net-(U3-Pad5): U3.5
Net-(U4-Pad5): U4.5
Net-(U4-Pad13): U4.13
Net-(U4-Pad14): U4.14
Net-(U4-Pad15): U4.15
Net-(U4-Pad16): U4.16
Net-(U5-Pad1): U5.1
Net-(U5-Pad2): U5.2
Net-(U5-Pad3): U5.3
Net-(U5-Pad4): U5.4
Net-(U5-Pad5): U5.5
Net-(U5-Pad22): U5.22
Net-(U5-Pad23): U5.23
Net-(U5-Pad24): U5.24
Net-(U5-Pad25): U5.25
Net-(U5-Pad26): U5.26
Net-(U5-Pad27): U5.27
Net-(U5-Pad28): U5.28
Net-(U6-Pad22): U6.22
Net-(U6-Pad23): U6.23
Net-(U7-Pad22): U7.22
Net-(U7-Pad23): U7.23
Net-(U8-Pad9): U8.9
Net-(U8-Pad12): U8.12
Net-(U9-Pad5): U9.5
Net-(U9-Pad6): U9.6
Net-(U9-Pad7): U9.7
Net-(U9-Pad8): U9.8
Net-(U9-Pad9): U9.9
Net-(U9-Pad12): U9.12
Net-(U9-Pad13): U9.13
Net-(U9-Pad14): U9.14
Net-(U9-Pad15): U9.15